# Altium PCB BreakOutBoard_Cyclone.PcbDoc (part 1 of 6)
Units mm, origin at the board's own origin, x right, y up, seen from the top; angles counter-clockwise.
Board outline 360 x 235.6 mm, 2 copper layers (Top Layer, Bottom Layer); 147 components, 204 nets, 2829 pads, 57 vias.
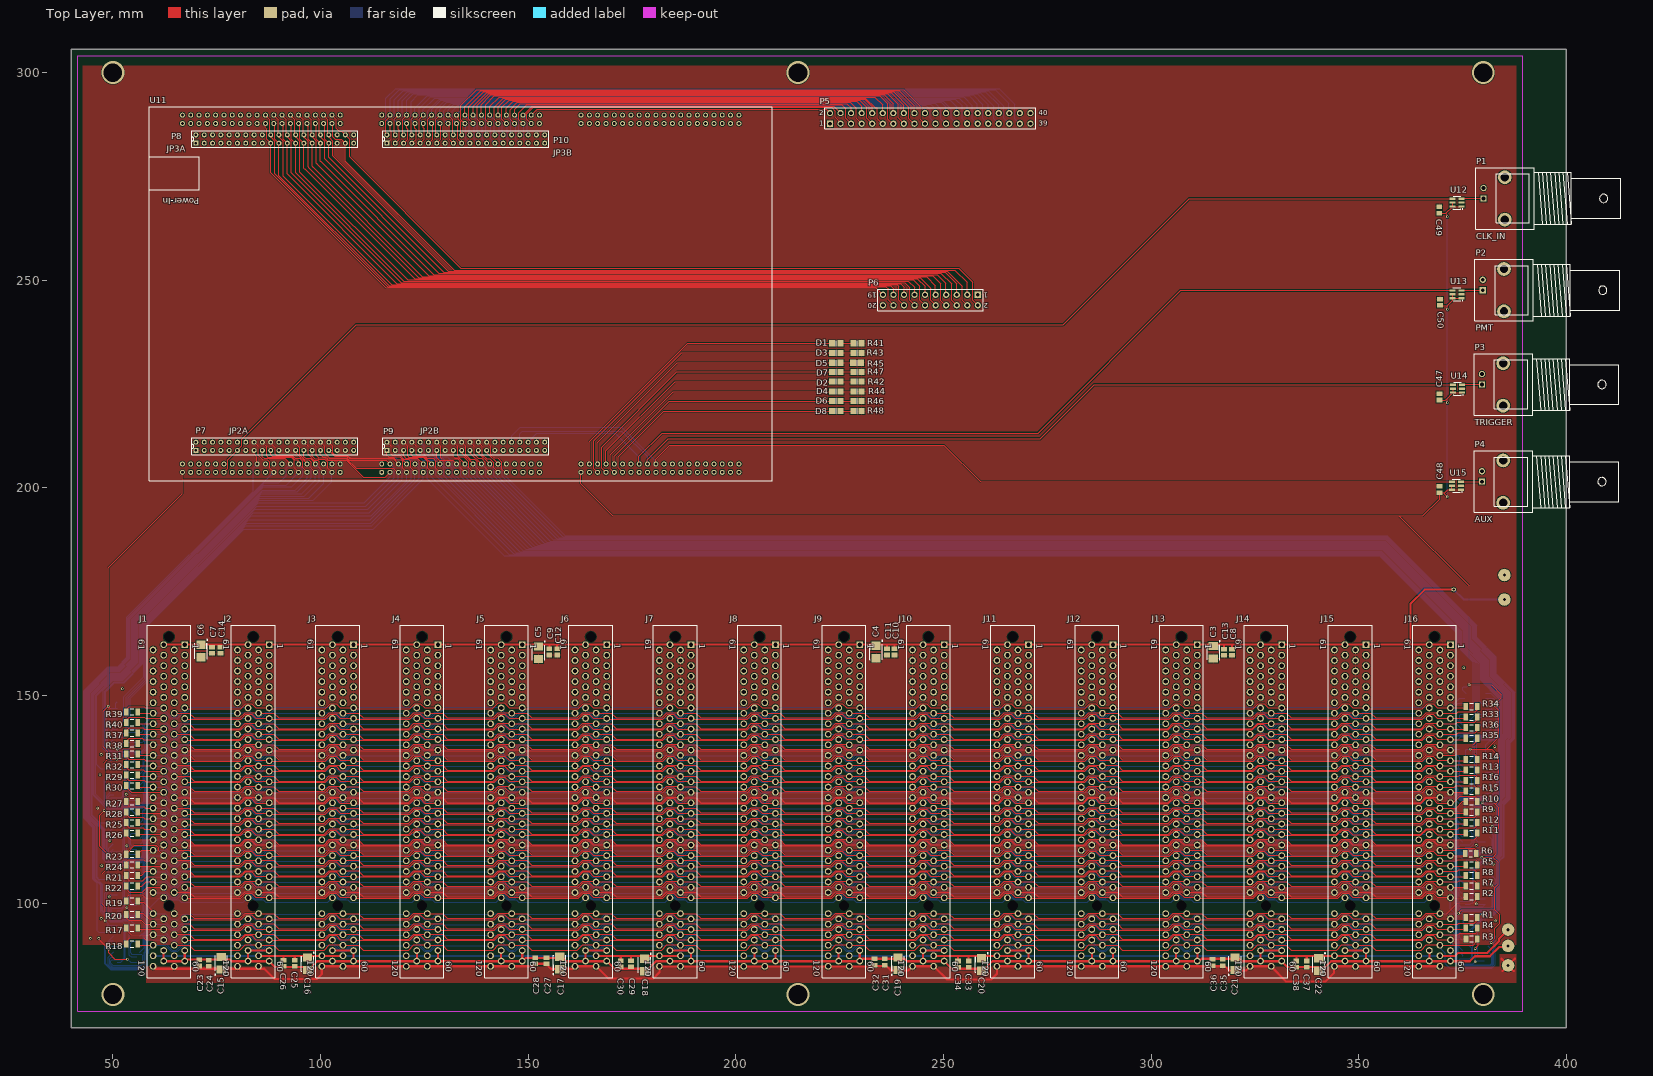
[diagram p0: Top Layer view]
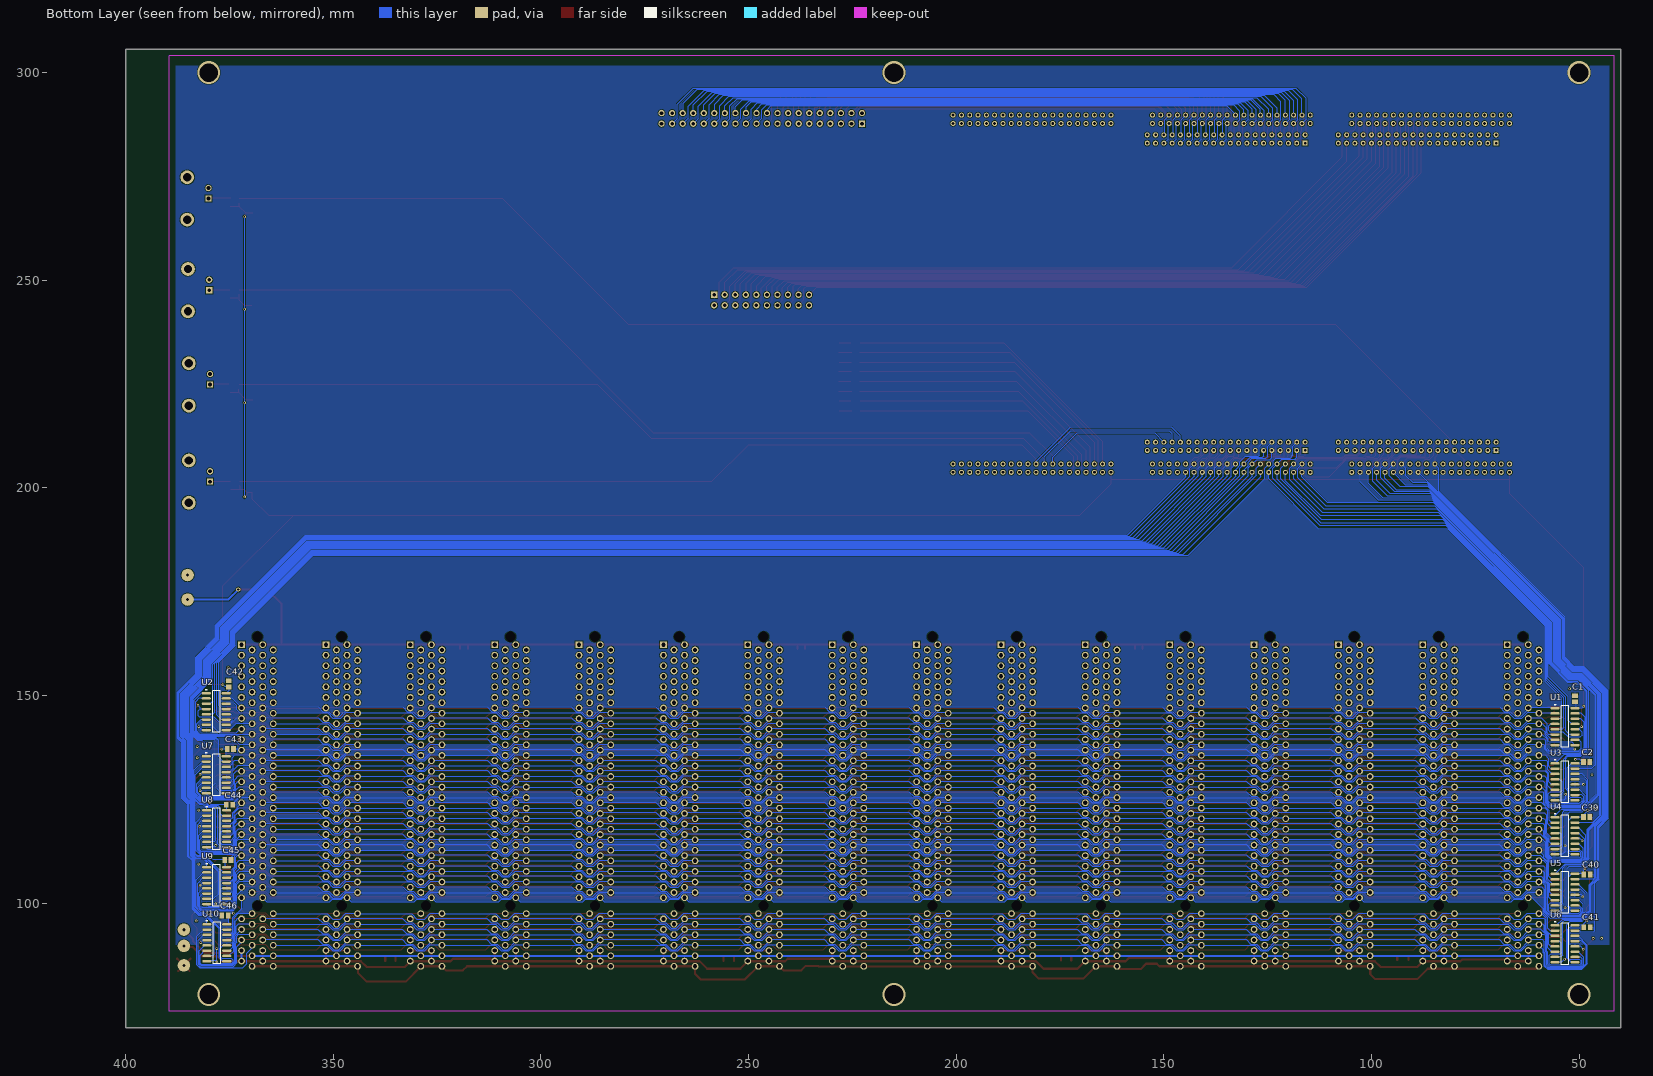
[diagram p1: Bottom Layer view, seen from below]

## Layer stack, top to bottom
Top Layer: signal copper 0.0356
Dielectric: dielectric 0.32, FR-4, Dk 4.8
Bottom Layer: signal copper 0.0356

## Board outline
40,70 40,305.6 400,305.6 400,70

## Design rules (kind name [scope] priority, off if disabled: settings)
Clearance Clearance_Polygon [InPolygon] p1: gap=0.175
Clearance [All] p2: gap=0.127
HoleSize [All] p1: absolutevalues=TRUE maxlimit=10 minlimit=0.025 maxpercent=80.000 minpercent=20.000
MinimumSolderMaskSliver [All] p1: minsoldermaskwidth=0.127
PolygonConnect [All] p1: connectstyle=Relief reliefconductorwidth=0.254 reliefentries=4 polygonreliefangle="90 Angle"
RoomDefinition BreakOutBoard_Cyclone [InComponentClass('BreakOutBoard_Cyclone')] p1: confinementstyle=ConfineIn formatcopy=TRUE lockcomponents=FALSE outline 101.346,57.658 111.506,57.658 111.506,50.038 101.346,50.038
RoutingVias [All] p1: holewidth=0.3 width=0.6 viastyle="Through Hole" minholewidth=0.3 minwidth=0.6 maxholewidth=0.711 maxwidth=1.27
SilkToSilkClearance [All] p1: silktosilkclearance=0.127
SilkscreenOverComponentPads [All] p1: minsilkscreentomaskgap=0.254
SolderMaskExpansion [All] p1: expansion=0.102
Width [All] p1: maxlimit=0.5 minlimit=0.127 preferedwidth=0.3
24 further rules are at their usual default settings.

## Components (designator, comment, footprint, x,y, rotation, side; value= is the part's Value field where it differs from the comment)
C1 "Cap Semi" CAPC2012L 51,149.2 r90 bottom
C2 "Cap Semi" CAPC2012L 48.2,134 r180 bottom
C3 "Cap Pol1" B 315,160.4 r270 top
C4 "Cap Pol1" B 233.8,160.5 r270 top
C5 "Cap Pol1" B 152.5,160.3 r270 top
C6 "Cap Pol1" B 71.2,160.7 r270 top
C7 "Cap Semi" CAPC2012L 73.9,160.9 r90 top
C8 "Cap Semi" CAPC2012L 319.5,160.4 r90 top
C9 "Cap Semi" CAPC2012L 155.1,160.5 r90 top
C10 "Cap Semi" CAPC2012L 238.2,160.5 r90 top
C11 "Cap Semi" CAPC2012L 236.4,160.5 r90 top
C12 "Cap Semi" CAPC2012L 157,160.5 r90 top
C13 "Cap Semi" CAPC2012L 317.6,160.4 r90 top
C14 "Cap Semi" CAPC2012L 75.9,160.9 r90 top
C15 "Cap Pol1" B 76.1,85.5 r90 top
C16 "Cap Pol1" B 96.9,85.4 r270 top
C17 "Cap Pol1" B 157.6,85.6 r90 top
C18 "Cap Pol1" B 178,85.1 r270 top
C19 "Cap Pol1" B 239.1,85.4 r90 top
C20 "Cap Pol1" B 259.2,85.2 r270 top
C21 "Cap Pol1" B 320.2,85.4 r90 top
C22 "Cap Pol1" B 340.4,85.2 r270 top
C23 "Cap Semi" CAPC2012L 70.8,85.6 r270 top
C24 "Cap Semi" CAPC2012L 73.1,85.5 r270 top
C25 "Cap Semi" CAPC2012L 93.8,85.5 r90 top
C26 "Cap Semi" CAPC2012L 91.1,85.5 r90 top
C27 "Cap Semi" CAPC2012L 154.4,86.1 r270 top
C28 "Cap Semi" CAPC2012L 151.7,86.1 r270 top
C29 "Cap Semi" CAPC2012L 174.8,85.4 r90 top
C30 "Cap Semi" CAPC2012L 172.3,85.4 r90 top
C31 "Cap Semi" CAPC2012L 235.9,85.8 r270 top
C32 "Cap Semi" CAPC2012L 233.4,85.8 r270 top
C33 "Cap Semi" CAPC2012L 256.1,85.3 r90 top
C34 "Cap Semi" CAPC2012L 253.5,85.3 r90 top
C35 "Cap Semi" CAPC2012L 317.3,85.7 r270 top
C36 "Cap Semi" CAPC2012L 314.8,85.7 r270 top
C37 "Cap Semi" CAPC2012L 337.5,85.3 r90 top
C38 "Cap Semi" CAPC2012L 335,85.3 r90 top
C39 "Cap Semi" CAPC2012L 48.2,120.7 r180 bottom
C40 "Cap Semi" CAPC2012L 48.1,106.9 r180 bottom
C41 "Cap Semi" CAPC2012L 48.1,94.2 r180 bottom
C42 "Cap Semi" CAPC2012L 375.2,152.8 r90 bottom
C43 "Cap Semi" CAPC2012L 374.8,137.1 r180 bottom
C44 "Cap Semi" CAPC2012L 375,123.7 r180 bottom
C45 "Cap Semi" CAPC2012L 375.4,110.4 r180 bottom
C46 "Cap Semi" CAPC2012L 376.1,96.99 r0 bottom
C47 "Cap Semi" CAPC2012L 369.5,221.9 r270 top
C48 "Cap Semi" CAPC2012L 369.5,199.6 r270 top
C49 "Cap Semi" CAPC2012L 369.4,266.9 r270 top
C50 "Cap Semi" CAPC2012L 369.6,244.7 r270 top
D1 "LED" RESC2012M 224.2,234.8 r0 top
D2 "LED" RESC2012M 224.2,225.6 r0 top
D3 "LED" RESC2012M 224.2,232.5 r0 top
D4 "LED" RESC2012M 224.2,223.2 r0 top
D5 "LED" RESC2012M 224.2,230.1 r0 top
D6 "LED" RESC2012M 224.2,220.9 r0 top
D7 "LED" RESC2012M 224.2,227.9 r0 top
D8 "LED" RESC2012M 224.2,218.5 r0 top
J1 "1-145154-2" 1-145154-2 63.5,124.46 r270 top locked
J2 "1-145154-2" 1-145154-2 83.82,124.46 r270 top locked
J3 "1-145154-2" 1-145154-2 104.14,124.46 r270 top locked
J4 "1-145154-2" 1-145154-2 124.46,124.46 r270 top locked
J5 "1-145154-2" 1-145154-2 144.78,124.46 r270 top locked
J6 "1-145154-2" 1-145154-2 165.1,124.46 r270 top locked
J7 "1-145154-2" 1-145154-2 185.42,124.46 r270 top locked
J8 "1-145154-2" 1-145154-2 205.74,124.46 r270 top locked
J9 "1-145154-2" 1-145154-2 226.06,124.46 r270 top locked
J10 "1-145154-2" 1-145154-2 246.38,124.46 r270 top locked
J11 "1-145154-2" 1-145154-2 266.7,124.46 r270 top locked
J12 "1-145154-2" 1-145154-2 287.02,124.46 r270 top locked
J13 "1-145154-2" 1-145154-2 307.34,124.46 r270 top locked
J14 "1-145154-2" 1-145154-2 327.66,124.46 r270 top locked
J15 "1-145154-2" 1-145154-2 347.98,124.46 r270 top locked
J16 "1-145154-2" 1-145154-2 368.3,124.46 r270 top locked
P1 "CLK_IN" "BNC_RA CON" 380.1,269.7 r180 top
P2 "PMT" "BNC_RA CON" 379.9,247.6 r180 top
P3 "TRIGGER" "BNC_RA CON" 379.7,224.9 r180 top
P4 "AUX" "BNC_RA CON" 379.7,201.5 r180 top
P5 "TTL_OUT_1" HDR2X20 222.7,287.7 r0 top
P6 "AUX_I/O" HDR2X10 258.3,246.5 r180 top
P7 "JP2A" connector_40pos_2mm 70,209 r90 top locked
P8 "JP3A" connector_40pos_2mm 70,283 r90 top locked
P9 "JP2B" connector_40pos_2mm 116,209 r90 top locked
P10 "JP3B" connector_40pos_2mm 116,283 r90 top locked
R1 "" RESC3216L 377.19,96.52 r180 top
R2 "" RESC3216L 377.19,101.6 r0 top
R3 "" RESC3216L 377.2,91.4 r180 top
R4 "" RESC3216L 377.19,93.98 r0 top
R5 "" RESC3216L 377.19,109.22 r0 top
R6 "" RESC3216L 377,111.9 r180 top
R7 "" RESC3216L 377.19,104.14 r0 top
R8 "" RESC3216L 377.19,106.68 r180 top
R9 "" RESC3216L 377.19,121.92 r180 top
R10 "" RESC3216L 377.19,124.46 r180 top
R11 "" RESC3216L 377.19,116.84 r180 top
R12 "" RESC3216L 377.19,119.38 r0 top
R13 "" RESC3216L 377.19,132.08 r0 top
R14 "" RESC3216L 377.19,134.62 r180 top
R15 "" RESC3216L 377.19,127 r0 top
R16 "" RESC3216L 377.19,129.54 r180 top
R17 "" RESC3216L 54.61,93.98 r180 top
R18 "" RESC3216L 54.61,90.17 r180 top
R19 "" RESC3216L 54.6,100.5 r0 top
R20 "" RESC3216L 54.6,97.3 r0 top
R21 "" RESC3216L 54.61,106.68 r180 top
R22 "" RESC3216L 54.6,104.1 r0 top
R23 "" RESC3216L 54.61,111.76 r180 top
R24 "" RESC3216L 54.61,109.22 r180 top
R25 "" RESC3216L 54.61,119.38 r180 top
R26 "" RESC3216L 54.61,116.84 r0 top
R27 "" RESC3216L 54.61,124.46 r180 top
R28 "" RESC3216L 54.61,121.92 r0 top
R29 "" RESC3216L 54.61,130.81 r180 top
R30 "" RESC3216L 54.61,128.27 r0 top
R31 "" RESC3216L 54.61,135.89 r180 top
R32 "" RESC3216L 54.61,133.35 r0 top
R33 "" RESC3216L 377.19,144.78 r0 top
R34 "" RESC3216L 377.19,147.32 r180 top
R35 "" RESC3216L 377.19,139.7 r0 top
R36 "" RESC3216L 377.19,142.24 r180 top
R37 "" RESC3216L 54.61,140.97 r180 top
R38 "" RESC3216L 54.61,138.43 r0 top
R39 "" RESC3216L 54.61,146.05 r180 top
R40 "" RESC3216L 54.61,143.51 r0 top
R41 "Res3" RESC2012M 229.3,234.8 r180 top
R42 "Res3" RESC2012M 229.3,225.6 r180 top
R43 "Res3" RESC2012M 229.3,232.5 r180 top
R44 "Res3" RESC2012M 229.3,223.2 r180 top
R45 "Res3" RESC2012M 229.2,230.1 r180 top
R46 "Res3" RESC2012M 229.3,220.9 r180 top
R47 "Res3" RESC2012M 229.3,227.9 r180 top
R48 "Res3" RESC2012M 229.3,218.5 r180 top
U1 "MAX3094, Rx" NSO16_N 53.4,142.5 r180 bottom
U2 "MAX3094, Rx" NSO16_N 378.2,146.1 r180 bottom
U3 "MAX3030, Tx" NSO16_N 53.4,129.2 r180 bottom
U4 "MAX3030, Tx" NSO16_N 53.4,116.2 r180 bottom
U5 "MAX3030, Tx" NSO16_N 53.4,102.6 r180 bottom
U6 "MAX3030, Tx" NSO16_N 53.4,90.2 r180 bottom
U7 "MAX3030, Tx" NSO16_N 378.2,130.9 r180 bottom
U8 "MAX3030, Tx" NSO16_N 378.1,117.9 r180 bottom
U9 "MAX3030, Tx" NSO16_N 378.1,104.2 r180 bottom
U10 "MAX3030, Tx" NSO16_N 378.07,90.44 r180 bottom
U11 "ZEM4310" ZEM4310 200.75,289.75 r180 top
U12 "SN74LVC1T45" SOT23-6 373.7,268.7 r90 top
U13 "SN74LVC1T45" SOT23-6 373.7,246.6 r90 top
U14 "SN74LVC1T45" SOT23-6 373.8,223.9 r90 top
U15 "SN74LVC1T45" SOT23-6 373.6,200.5 r90 top

## Footprints (in the part's own frame and the unit in brackets; to place one, negate y for a bottom-side part, rotate by r counter-clockwise, add the part's x,y. Pads: shape width x height; smd on the part's side, far side on the other; paste and mask are expansions set on the pad)
1-145154-2 [mm] "Connector; Card Edge .050 Series PCI; 2x60 Position; 32-Bit Bus"
  rect 1.62x1.62 hole 1.02: 1(-37.782,3.81)
  round 1.62 hole 1.02: 2(-36.512,1.27) 3(-35.242,3.81) 4(-33.972,1.27) 5(-32.703,3.81) 6(-31.432,1.27) 7(-30.162,3.81) 8(-28.892,1.27) 9(-27.622,3.81) 10(-26.352,1.27) 11(-25.082,3.81) 12(-23.812,1.27) 13(-22.543,3.81) 14(-21.273,1.27) 15(-20.002,3.81) 16(-18.732,1.27) 17(-17.462,3.81) 18(-16.192,1.27) 19(-14.922,3.81) 20(-13.652,1.27) 21(-12.383,3.81) 22(-11.112,1.27) 23(-9.842,3.81) 24(-8.572,1.27) 25(-7.302,3.81) 26(-6.032,1.27) 27(-4.763,3.81) 28(-3.492,1.27) 29(-2.223,3.81) 30(-0.953,1.27) 31(0.317,3.81) 32(1.587,1.27) 33(2.857,3.81) 34(4.127,1.27) 35(5.397,3.81) 36(6.667,1.27) 37(7.938,3.81) 38(9.207,1.27) 39(10.477,3.81) 40(11.747,1.27) 41(13.018,3.81) 42(14.287,1.27) 43(15.557,3.81) 44(16.828,1.27) 45(18.098,3.81) 46(19.367,1.27) 47(20.637,3.81) 48(21.907,1.27) 49(23.177,3.81) 50(26.987,1.27) 51(28.258,3.81) 52(29.527,1.27) 53(30.797,3.81) 54(32.067,1.27) 55(33.337,3.81) 56(34.608,1.27) 57(35.877,3.81) 58(37.148,1.27) 59(38.417,3.81) 60(39.688,1.27) 61(-37.782,-1.27) 62(-36.512,-3.81) 63(-35.242,-1.27) 64(-33.972,-3.81) 65(-32.703,-1.27) 66(-31.432,-3.81) 67(-30.162,-1.27) 68(-28.892,-3.81) 69(-27.622,-1.27) 70(-26.352,-3.81) 71(-25.082,-1.27) 72(-23.812,-3.81) 73(-22.543,-1.27) 74(-21.273,-3.81) 75(-20.002,-1.27) 76(-18.732,-3.81) 77(-17.462,-1.27) 78(-16.192,-3.81) 79(-14.922,-1.27) 80(-13.652,-3.81) 81(-12.383,-1.27) 82(-11.112,-3.81) 83(-9.842,-1.27) 84(-8.572,-3.81) 85(-7.302,-1.27) 86(-6.032,-3.81) 87(-4.763,-1.27) 88(-3.492,-3.81) 89(-2.222,-1.27) 90(-0.952,-3.81) 91(0.318,-1.27) 92(1.588,-3.81) 93(2.858,-1.27) 94(4.128,-3.81) 95(5.397,-1.27) 96(6.667,-3.81) 97(7.938,-1.27) 98(9.207,-3.81) 99(10.477,-1.27) 100(11.747,-3.81) 101(13.018,-1.27) 102(14.287,-3.81) 103(15.557,-1.27) 104(16.828,-3.81) 105(18.098,-1.27) 106(19.367,-3.81) 107(20.637,-1.27) 108(21.907,-3.81) 109(23.177,-1.27) 110(26.987,-3.81) 111(28.258,-1.27) 112(29.527,-3.81) 113(30.797,-1.27) 114(32.067,-3.81) 115(33.337,-1.27) 116(34.608,-3.81) 117(35.877,-1.27) 118(37.148,-3.81) 119(38.417,-1.27) 120(39.688,-3.81)
  round 2.14 hole 2.44: 121(-39.688,0) 122(25.082,0)
  silkscreen extent -42.42,-5.26 42.42,5.26
B [mm] "Capacitor, SM Tantalum; Body 3.5 x 2.8 mm (LxW typ)"
  rect 2x2.2 smd: 1(-1.5,0) 2(1.5,0)
  silkscreen extent -2.82,-1.5 1.85,1.63
"BNC_RA CON" [mm] "Connector; BNC Elbow"
  rect 1.5x1.5 hole 0.9: 1(0,0)
  round 3.3 hole 2: 2(-5.1,5.1) 2(-5.1,-5.1)
  round 1.5 hole 0.9: 2(0,-2.5)
  silkscreen extent -33,-7.4 1.9,7.4
CAPC2012L [mm] "Chip Capacitor, Body 2.0x1.3mm, IPC High Density"
  rect 1.1x1.4 smd: 1(-0.75,0) 2(0.75,0)
  body extent -1.1,-0.72 1.1,0.72, height 1.4
connector_40pos_2mm [mm]
  rect 1.2x1.2 hole 0.6: 1(0,0)
  round 1.2 hole 0.6: 2(2,0) 3(0,-2) 4(2,-2) 5(0,-4) 6(2,-4) 7(0,-6) 8(2,-6) 9(0,-8) 10(2,-8) 11(0,-10) 12(2,-10) 13(0,-12) 14(2,-12) 15(0,-14) 16(2,-14) 17(0,-16) 18(2,-16) 19(0,-18) 20(2,-18) 21(0,-20) 22(2,-20) 23(0,-22) 24(2,-22) 25(0,-24) 26(2,-24) 27(0,-26) 28(2,-26) 29(0,-28) 30(2,-28) 31(0,-30) 32(2,-30) 33(0,-32) 34(2,-32) 35(0,-34) 36(2,-34) 37(0,-36) 38(2,-36) 39(0,-38) 40(2,-38)
  silkscreen extent -1.02,-39 3.05,1
HDR2X10 [mm] "Connector; Header; 10x2 Position"
  rect 1.5x1.5 hole 0.9: 1(0,0)
  round 1.5 hole 0.9: 2(0,2.54) 3(2.54,0) 4(2.54,2.54) 5(5.08,0) 6(5.08,2.54) 7(7.62,0) 8(7.62,2.54) 9(10.16,0) 10(10.16,2.54) 11(12.7,0) 12(12.7,2.54) 13(15.24,0) 14(15.24,2.54) 15(17.78,0) 16(17.78,2.54) 17(20.32,0) 18(20.32,2.54) 19(22.86,0) 20(22.86,2.54)
  silkscreen extent -1.27,-1.27 24.13,3.81
HDR2X20 [mm] "Connector; Header; 20x2 Position"
  rect 1.5x1.5 hole 0.9: 1(0,0)
  round 1.5 hole 0.9: 2(0,2.54) 3(2.54,0) 4(2.54,2.54) 5(5.08,0) 6(5.08,2.54) 7(7.62,0) 8(7.62,2.54) 9(10.16,0) 10(10.16,2.54) 11(12.7,0) 12(12.7,2.54) 13(15.24,0) 14(15.24,2.54) 15(17.78,0) 16(17.78,2.54) 17(20.32,0) 18(20.32,2.54) 19(22.86,0) 20(22.86,2.54) 21(25.4,0) 22(25.4,2.54) 23(27.94,0) 24(27.94,2.54) 25(30.48,0) 26(30.48,2.54) 27(33.02,0) 28(33.02,2.54) 29(35.56,0) 30(35.56,2.54) 31(38.1,0) 32(38.1,2.54) 33(40.64,0) 34(40.64,2.54) 35(43.18,0) 36(43.18,2.54) 37(45.72,0) 38(45.72,2.54) 39(48.26,0) 40(48.26,2.54)
  silkscreen extent -1.27,-1.27 49.53,3.81
NSO16_N [mm] "16-Pin Small Outline Integrated Circuit 1.27 mm Pitch, IPC Medium Density"
  oval 2.2x0.6 smd: 1(-2.4,4.445) 2(-2.4,3.175) 3(-2.4,1.905) 4(-2.4,0.635) 5(-2.4,-0.635) 6(-2.4,-1.905) 7(-2.4,-3.175) 8(-2.4,-4.445) 9(2.4,-4.445) 10(2.4,-3.175) 11(2.4,-1.905) 12(2.4,-0.635) 13(2.4,0.635) 14(2.4,1.905) 15(2.4,3.175) 16(2.4,4.445)
  silkscreen extent -2.53,-5 0.9,5.42, body extent -1.95,-4.95 1.95,4.95, height 1.75
RESC2012M [mm] "Chip Resistor, Body 2.0x1.2mm, IPC Low Density"
  rect 1.4x1.5 smd: 1(-1,0) 2(1,0)
  silkscreen extent 0,-0.65 0,0.65, body extent -1.07,-0.7 1.07,0.7, height 0.7
RESC3216L [mm] "Chip Resistor, Body 3.1x1.6mm, IPC High Density"
  rect 1.1x1.7 smd: 1(-1.35,0) 2(1.35,0)
  silkscreen extent -0.4,-0.75 0.4,0.75, body extent -1.68,-0.87 1.68,0.87, height 2.54
SOT23-6 [mm] "SOT-457/SC-74; 6 Leads; Body 3 x 3 mm, inc. leads (LxW max)"
  rect 0.55x1.45 smd: 1(-0.95,-1.075) 2(0,-1.075) 3(0.95,-1.075) 4(0.95,1.075) 5(0,1.075) 6(-0.95,1.075)
  silkscreen extent -1.57,-1.35 1.55,0.9
ZEM4310 [mm]
  round 1.2 hole 0.7: 1A1(134,86) 1A2(134,84) 1A3(132,86) 1A4(132,84) 1A5(130,86) 1A6(130,84) 1A7(128,86) 1A8(128,84) 1A9(126,86) 1A10(126,84) 1A11(124,86) 1A12(124,84) 1A13(122,86) 1A14(122,84) 1A15(120,86) 1A16(120,84) 1A17(118,86) 1A18(118,84) 1A19(116,86) 1A20(116,84) 1A21(114,86) 1A22(114,84) 1A23(112,86) 1A24(112,84) 1A25(110,86) 1A26(110,84) 1A27(108,86) 1A28(108,84) 1A29(106,86) 1A30(106,84) 1A31(104,86) 1A32(104,84) 1A33(102,86) 1A34(102,84) 1A35(100,86) 1A36(100,84) 1A37(98,86) 1A38(98,84) 1A39(96,86) 1A40(96,84) 1B1(86,86) 1B2(86,84) 1B3(84,86) 1B4(84,84) 1B5(82,86) 1B6(82,84) 1B7(80,86) 1B8(80,84) 1B9(78,86) 1B10(78,84) 1B11(76,86) 1B12(76,84) 1B13(74,86) 1B14(74,84) 1B15(72,86) 1B16(72,84) 1B17(70,86) 1B18(70,84) 1B19(68,86) 1B20(68,84) 1B21(66,86) 1B22(66,84) 1B23(64,86) 1B24(64,84) 1B25(62,86) 1B26(62,84) 1B27(60,86) 1B28(60,84) 1B29(58,86) 1B30(58,84) 1B31(56,86) 1B32(56,84) 1B33(54,86) 1B34(54,84) 1B35(52,86) 1B36(52,84) 1B37(50,86) 1B38(50,84) 1B39(48,86) 1B40(48,84) 1C1(38,86) 1C2(38,84) 1C3(36,86) 1C4(36,84) 1C5(34,86) 1C6(34,84) 1C7(32,86) 1C8(32,84) 1C9(30,86) 1C10(30,84) 1C11(28,86) 1C12(28,84) 1C13(26,86) 1C14(26,84) 1C15(24,86) 1C16(24,84) 1C17(22,86) 1C18(22,84) 1C19(20,86) 1C20(20,84) 1C21(18,86) 1C22(18,84) 1C23(16,86) 1C24(16,84) 1C25(14,86) 1C26(14,84) 1C27(12,86) 1C28(12,84) 1C29(10,86) 1C30(10,84) 1C31(8,86) 1C32(8,84) 1C33(6,86) 1C34(6,84) 1C35(4,86) 1C36(4,84) 1C37(2,86) 1C38(2,84) 1C39(0,86) 1C40(0,84) 2A1(0,0) 2A2(0,2) 2A3(2,0) 2A4(2,2) 2A5(4,0) 2A6(4,2) 2A7(6,0) 2A8(6,2) 2A9(8,0) 2A10(8,2) 2A11(10,0) 2A12(10,2) 2A13(12,0) 2A14(12,2) 2A15(14,0) 2A16(14,2) 2A17(16,0) 2A18(16,2) 2A19(18,0) 2A20(18,2) 2A21(20,0) 2A22(20,2) 2A23(22,0) 2A24(22,2) 2A25(24,0) 2A26(24,2) 2A27(26,0) 2A28(26,2) 2A29(28,0) 2A30(28,2) 2A31(30,0) 2A32(30,2) 2A33(32,0) 2A34(32,2) 2A35(34,0) 2A36(34,2) 2A37(36,0) 2A38(36,2) 2A39(38,0) 2A40(38,2) 2B1(48,0) 2B2(48,2) 2B3(50,0) 2B4(50,2) 2B5(52,0) 2B6(52,2) 2B7(54,0) 2B8(54,2) 2B9(56,0) 2B10(56,2) 2B11(58,0) 2B12(58,2) 2B13(60,0) 2B14(60,2) 2B15(62,0) 2B16(62,2) 2B17(64,0) 2B18(64,2) 2B19(66,0) 2B20(66,2) 2B21(68,0) 2B22(68,2) 2B23(70,0) 2B24(70,2) 2B25(72,0) 2B26(72,2) 2B27(74,0) 2B28(74,2) 2B29(76,0) 2B30(76,2) 2B31(78,0) 2B32(78,2) 2B33(80,0) 2B34(80,2) 2B35(82,0) 2B36(82,2) 2B37(84,0) 2B38(84,2) 2B39(86,0) 2B40(86,2) 2C1(96,0) 2C2(96,2) 2C3(98,0) 2C4(98,2) 2C5(100,0) 2C6(100,2) 2C7(102,0) 2C8(102,2) 2C9(104,0) 2C10(104,2) 2C11(106,0) 2C12(106,2) 2C13(108,0) 2C14(108,2) 2C15(110,0) 2C16(110,2) 2C17(112,0) 2C18(112,2) 2C19(114,0) 2C20(114,2) 2C21(116,0) 2C22(116,2) 2C23(118,0) 2C24(118,2) 2C25(120,0) 2C26(120,2) 2C27(122,0) 2C28(122,2) 2C29(124,0) 2C30(124,2) 2C31(126,0) 2C32(126,2) 2C33(128,0) 2C34(128,2) 2C35(130,0) 2C36(130,2) 2C37(132,0) 2C38(132,2) 2C39(134,0) 2C40(134,2)
  silkscreen extent -8,-2 142,88
